# Altium PCB Bottom Board_PCB.PcbDoc (part 1 of 3)
Units mm, origin at the board's own origin, x right, y up, seen from the top; angles counter-clockwise.
Board outline 139 x 80 mm, 4 copper layers (Top Layer, GND, VCC, Bottom Layer), stack 1.623 mm thick; 134 components, 163 nets, 746 pads, 269 vias.
Unrouted connection lines stored in the file: 127.
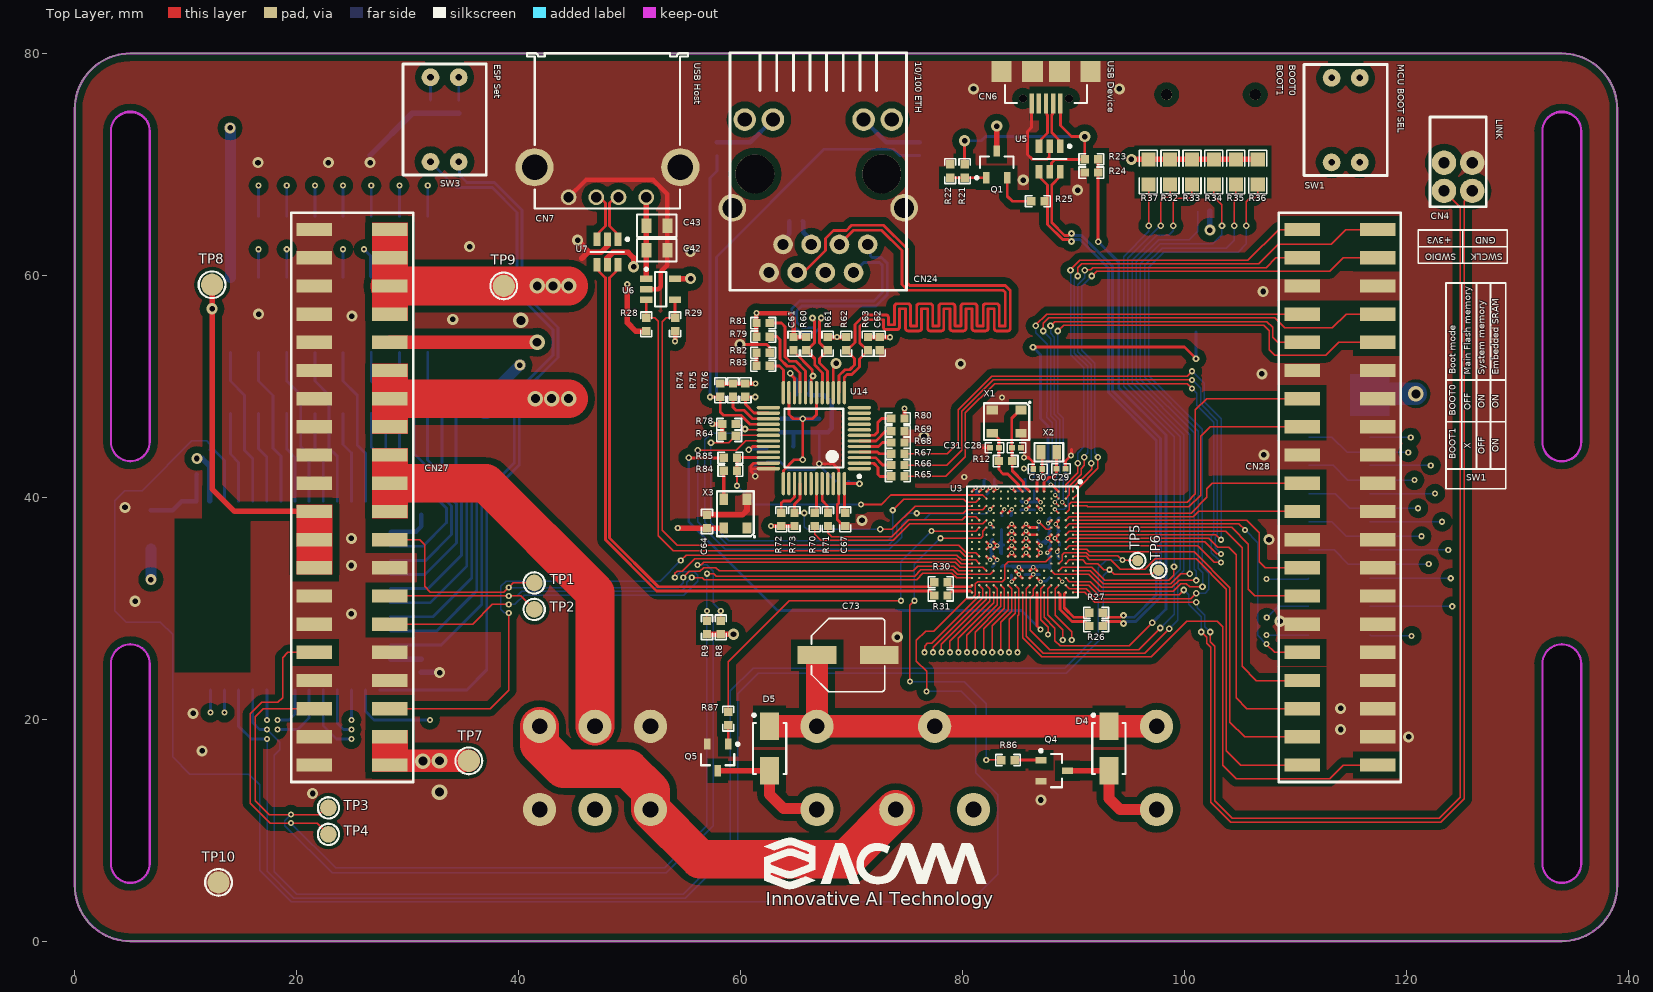
[diagram p0: Top Layer view]
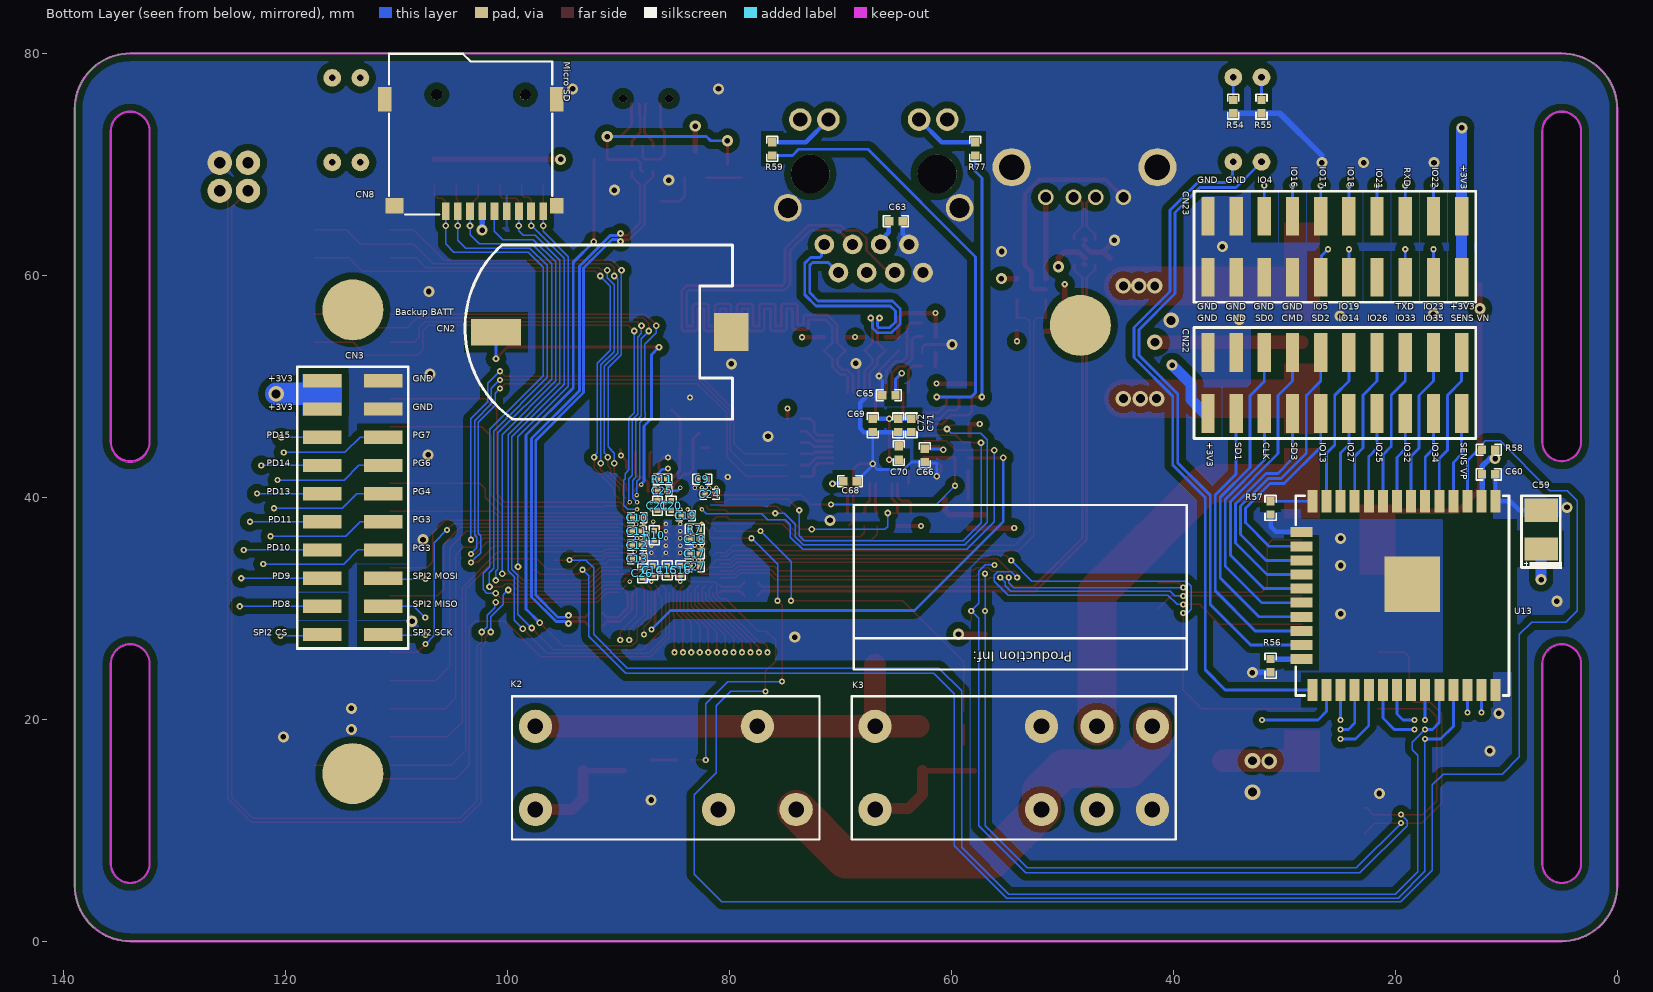
[diagram p1: Bottom Layer view, seen from below]
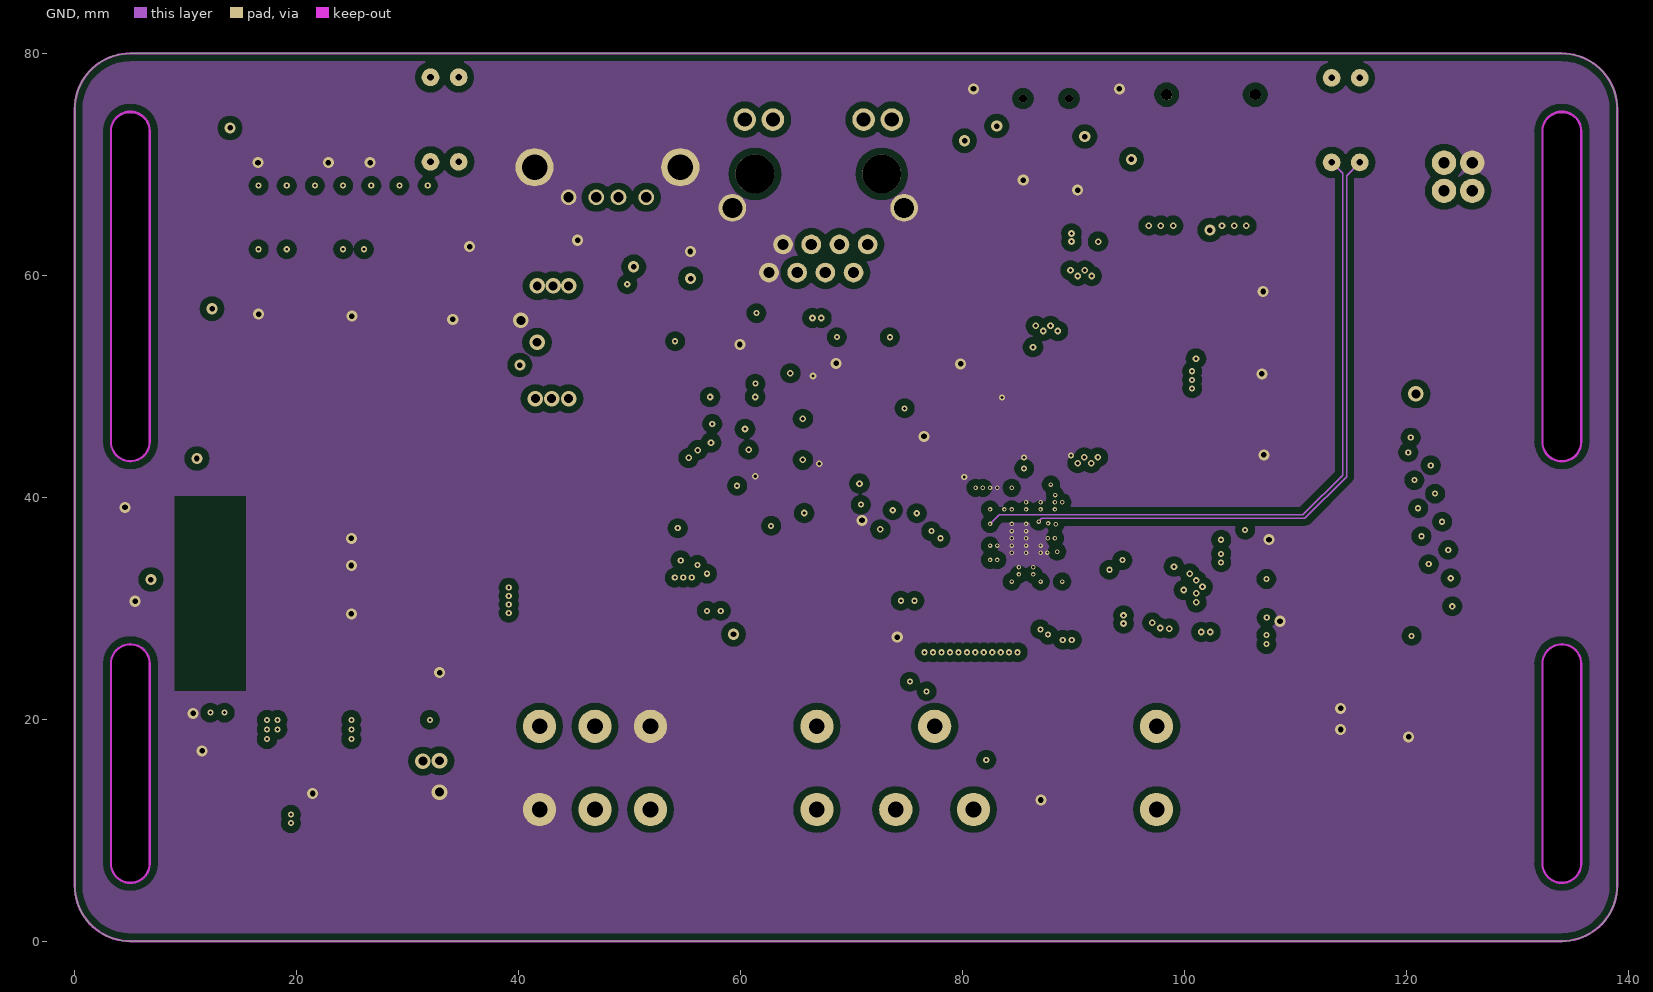
[diagram p2: GND]
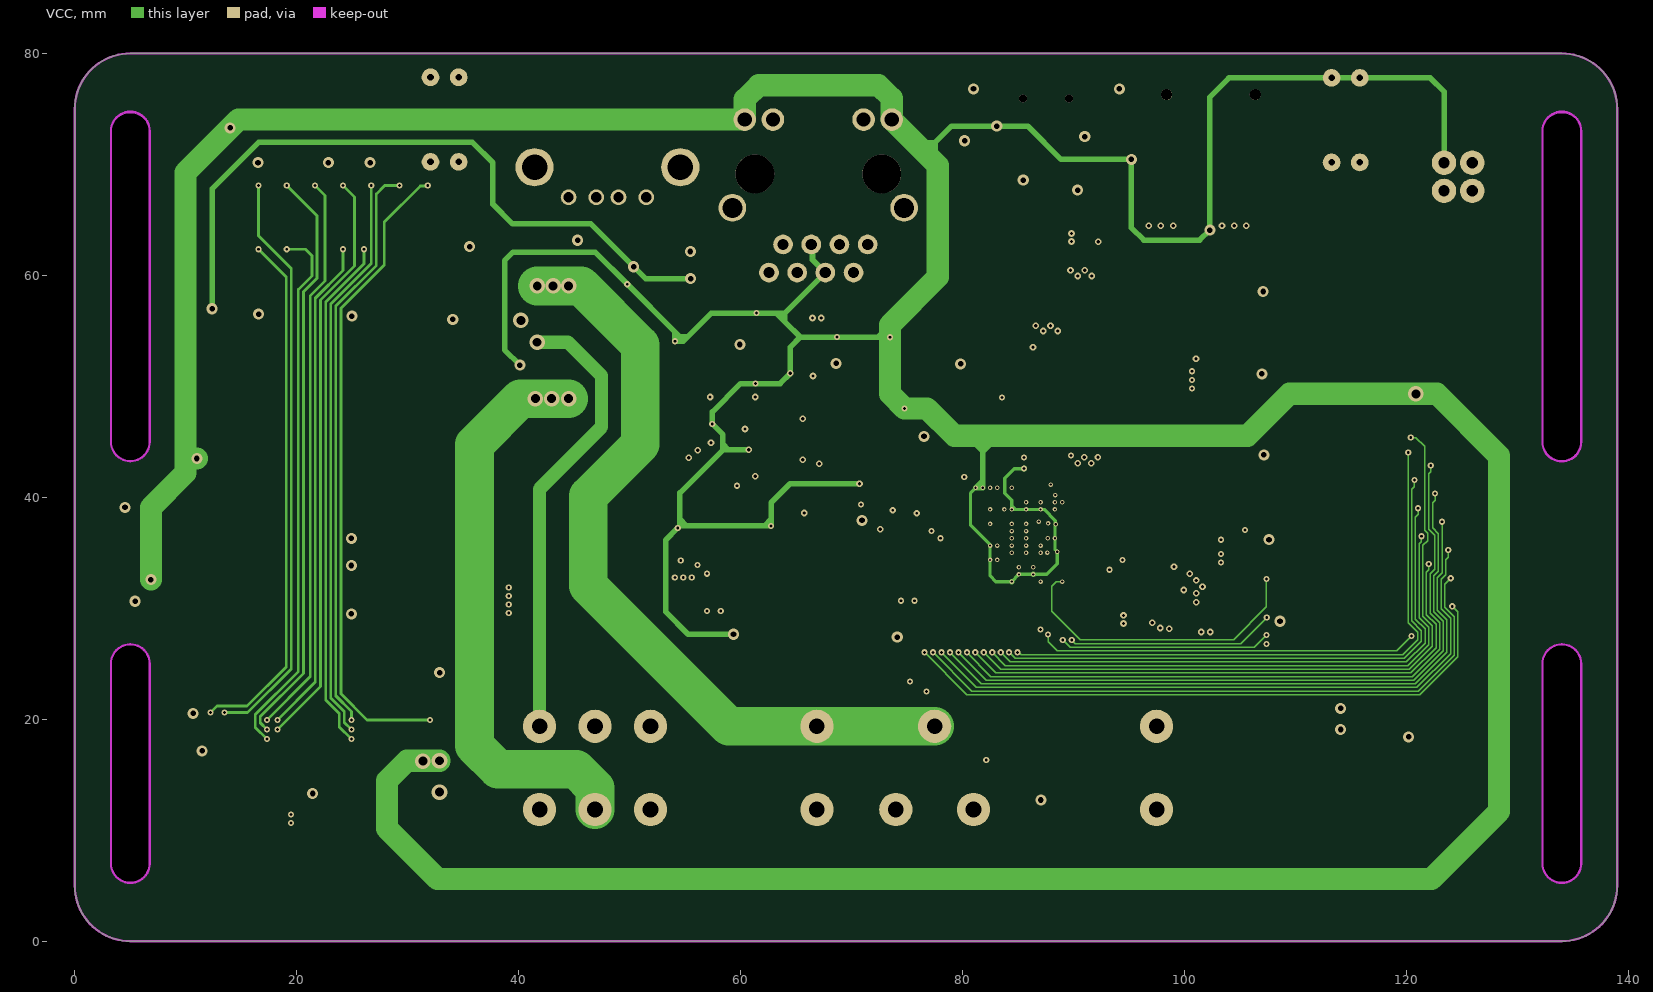
[diagram p3: VCC]

## Layer stack, top to bottom
Top Solder: solder mask 0.0102, Solder Resist, Dk 3.5
Top Layer: signal copper 0.0348
Prepreg 1 - 2116: prepreg 0.1295, PP-017, Dk 4.3
Prepreg 2 - 2116: prepreg 0.1168, PP-016, Dk 4.4
GND: signal copper 0.0348
Core 1: core 0.9906, Core-042, Dk 4.6
VCC: signal copper 0.0348
Prepreg 3 - 2116: prepreg 0.1168, PP-016, Dk 4.4
Prepreg 4 - 2116: prepreg 0.1295, PP-017, Dk 4.3
Bottom Layer: signal copper 0.0348
Bottom Solder: solder mask 0.0102, Solder Resist, Dk 3.5

## Board outline
0,5 ccw(c5,5) 5,0 134,0 ccw(c134,5) 139,5 139,75 ccw(c134,75) 134,80 5,80 ccw(c5,75) 0,75
cut-out: 132.256,44.915 132.256,72.926 cw(c134.006,72.926) 135.756,72.926 135.756,44.915 cw(c134.006,44.915)
cut-out: 132.256,7.047 132.256,25.047 cw(c134.006,25.047) 135.756,25.047 135.756,7.047 cw(c134.006,7.047)
cut-out: 3.256,7.047 3.256,25.047 cw(c5.006,25.047) 6.756,25.047 6.756,7.047 cw(c5.006,7.047)
cut-out: 3.25,44.997 3.25,72.926 cw(c5,72.926) 6.75,72.926 6.75,44.997 cw(c5,44.997)

## Design rules (kind name [scope] priority, off if disabled: settings)
Clearance Clearance_POLY [InPoly] p1: gap=0.6 ignorepadtopadclearanceinfootprint=FALSE
Clearance Clearance_BGA [InBGA and (IsTrack or IsPad or IsVia)] p2: gap=0.12 ignorepadtopadclearanceinfootprint=FALSE
Clearance Clearance_DIFFPAIR [InDifferentialPairClass('DIFF90') or InDifferentialPairClass('DIFF100') vs InDifferentialPairClass('DIFF90') or InDifferentialPairClass('DIFF100')] p3: gap=0.127 ignorepadtopadclearanceinfootprint=FALSE
Clearance Clearance_PAD [IsPad] p4: gap=0.2 ignorepadtopadclearanceinfootprint=FALSE
Clearance Clearance_Track [(IsTrack or IsVia and (not (InAnyDifferentialPair))) vs (IsTrack or IsVia and (not (InAnyDifferentialPair)))] p5: gap=0.2 ignorepadtopadclearanceinfootprint=FALSE
Clearance [All] p6: gap=0.19 ignorepadtopadclearanceinfootprint=FALSE
DiffPairsRouting DIFF_PAIR_100 [InDifferentialPairClass('DIFF100')] p1: maxlimit=0.635 minlimit=0.191 mostfreqgap=0.191 toplayer_minwidth=0.254 toplayer_maxwidth=0.254 toplayer_prefwidth=0.254 midlayer1_maxgap=0.508 midlayer1_minwidth=0.254 midlayer1_maxwidth=0.254 midlayer1_prefwidth=0.254 midlayer2_maxgap=0.508 midlayer2_minwidth=0.254 midlayer2_maxwidth=0.254 midlayer2_prefwidth=0.254 bottomlayer_minwidth=0.254 bottomlayer_maxwidth=0.254 bottomlayer_prefwidth=0.254 maxuncoupledlength=12.7
DiffPairsRouting DIFF_PAIR_90 [InDifferentialPairClass('DIFF90')] p2: maxlimit=1.27 minlimit=0.127 mostfreqgap=0.127 toplayer_minwidth=0.254 toplayer_maxwidth=0.254 toplayer_prefwidth=0.254 midlayer1_minwidth=0.254 midlayer1_maxwidth=0.254 midlayer1_prefwidth=0.254 midlayer2_minwidth=0.254 midlayer2_maxwidth=0.254 midlayer2_prefwidth=0.254 bottomlayer_minwidth=0.254 bottomlayer_maxwidth=0.254 bottomlayer_prefwidth=0.254 maxuncoupledlength=12.7
Height [All] p1: minheight=0 maxheight=30 prefheight=12.7
HoleSize [All] p1: absolutevalues=TRUE maxlimit=5 minlimit=0.025 maxpercent=80.000 minpercent=20.000
MinimumSolderMaskSliver [All] p1: minsoldermaskwidth=0.1
PolygonConnect [All] p1: connectstyle=Direct reliefconductorwidth=0.254 reliefentries=4 polygonreliefangle="90 Angle" airgapwidth=0.254
RoutingVias [All] p1: holewidth=0.5 width=1 viastyle="Through Hole" minholewidth=0.203 minwidth=0.406 maxholewidth=0.7 maxwidth=1.4
SilkToSilkClearance [All] p1: silktosilkclearance=0.1
SilkToSolderMaskClearance [IsPad] p1: minsilkscreentomaskgap=0.1 clearancetoexposedcopper=TRUE
SolderMaskExpansion [All] p1: expansion=0.102
Width Width_PWR [InNet('+12V0') or InNet('+12V_CMD_BOT') or InNet('+3V3') or InNet('+5V0') or InNet('+5V0_USBFS') or InNet('GND') or InNet('TEC_A_BOT') or InNet('TEC_B_BOT')] p1: maxlimit=5 minlimit=0.254 preferedwidth=0.4
Width [All] p2: maxlimit=1 minlimit=0.127 preferedwidth=0.254
24 further rules are at their usual default settings.

## Classes and differential pairs
differential pair class DIFF100: ETH_RD ETH_TD
differential pair class DIFF90: USBFS_D USBFS_D_A USBFS_D_R USBHS_D USBHS_D_A USBHS_D_R
net class ETHERNET: ETH_RD_N ETH_RD_P ETH_TD_N ETH_TD_P
component class "[14] - BOT BOARD HEADER": CN27 CN28 TP7 TP8 TP9 TP10
component class "[12] - RELAYS": C73 D4 D5 K2 K3 Q4 Q5 R86 R87
component class "[11] - LAN": C61 C62 C63 C64 C65 C66 C67 C68 C69 C70 C71 C72 CN24 R59 R60 R61 R62 R63 R64 R65 R66 R67 R68 R69 R70 R71 R72 R73 R74 R75 R76 R77 R78 R79 R80 R81 R82 R83 R84 R85 U14 X3
component class "[10] - ESP32": C59 C60 CN22 CN23 R54 R55 R56 R57 R58 SW3 U13
component class "[05] - MicroSD": CN8 R32 R33 R34 R35 R36 R37
component class "[04] - USB INTERFACE": C42 C43 CN6 CN7 Q1 R21 R22 R23 R24 R25 R26 R27 R28 R29 R30 R31 U5 U6 U7
component class "[02] - MCU": C9 C10 C11 C12 C13 C14 C15 C16 C17 C18 C19 C20 C21 C24 C25 C26 C27 C28 C29 C30 C31 CN2 CN3 CN4 R7 R8 R9 R10 R11 R12 SW1 TP1 TP2 TP3 TP4 TP5 TP6 U3 X1 X2
differential pair USBHS_D: +USBHS_D_P -USBHS_D_N
differential pair USBFS_D: +USBFS_D_P -USBFS_D_N
differential pair USBHS_D_R: +USBHS_D_R_P -USBHS_D_R_N
differential pair USBHS_D_A: +USBHS_D_A_P -USBHS_D_A_N
differential pair USBFS_D_R: +USBFS_D_R_P -USBFS_D_R_N
differential pair USBFS_D_A: +USBFS_D_A_P -USBFS_D_A_N
differential pair ETH_TD: +ETH_TD_P -ETH_TD_N
differential pair ETH_RD: +ETH_RD_P -ETH_RD_N

## Components (designator, comment, footprint, x,y, rotation, side; value= is the part's Value field where it differs from the comment)
C9 "0.1uF" 0402_C_AUTO 82.448,41.629 r180 bottom
C10 "0.1uF" 0402_C_AUTO 88.296,38.164 r0 bottom
C11 "0.1uF" 0402_C_AUTO 88.331,36.956 r0 bottom
C12 "0.1uF" 0402_C_AUTO 88.331,35.675 r0 bottom
C13 "0.1uF" 0402_C_AUTO 88.316,34.468 r0 bottom
C14 "0.1uF" 0402_C_AUTO 86.93,33.425 r270 bottom
C15 "0.1uF" 0402_C_AUTO 85.609,33.425 r270 bottom
C16 "0.1uF" 0402_C_AUTO 84.409,33.414 r270 bottom
C17 "0.1uF" 0402_C_AUTO 83.114,34.913 r180 bottom
C18 "0.1uF" 0402_C_AUTO 83.109,36.22 r180 bottom
C19 "0.1uF" 0402_C_AUTO 83.952,38.342 r0 bottom
C20 "0.1uF" 0402_C_AUTO 85.248,39.256 r270 bottom
C21 "0.1uF" 0402_C_AUTO 86.492,39.256 r270 bottom
C24 "0.1uF" 0402_C_AUTO 81.788,40.284 r180 bottom
C25 "0.1uF" 0402_C_AUTO 86.041,40.587 r180 bottom
C26 "2.2uF" 0402_C_AUTO 87.844,33.171 r270 bottom
C27 "2.2uF" 0402_C_AUTO 83.114,33.744 r180 bottom
C28 "18pF" 0402_C_AUTO 84.867,44.463 r0 top
C29 "10pF" 0402_C_AUTO 88.88,42.584 r180 top
C30 "10pF" 0402_C_AUTO 86.772,42.558 r0 top
C31 "18pF" 0402_C_AUTO 82.878,44.463 r180 top
C42 "1uF" 0805_C_AUTO 52.45,62.255 r180 top
C43 "0.1uF" 0805_C_AUTO 52.45,64.465 r180 top
C59 "47uF" TANT_B 6.858,37.089 r90 bottom
C60 "0.1uF" 0402_C 11.582,42.068 r180 bottom
C61 "0.1uF" 0402_C 64.776,53.842 r90 top
C62 "0.1uF" 0402_C 72.548,53.842 r90 top
C63 "0.1uF" 0402_C 64.999,64.872 r0 bottom
C64 "0.1uF" 0402_C 56.972,37.821 r90 top
C65 "0.1uF" 0402_C 65.634,49.2 r0 bottom
C66 "0.1uF" 0402_C 62.408,43.79 r270 bottom
C67 "0.1uF" 0402_C 69.424,38.017 r270 top
C68 "10nF" 0402_C 69.139,41.453 r180 bottom
C69 "0.1uF" 0402_C 67.081,46.482 r90 bottom
C70 "0.1uF" 0402_C 64.745,43.993 r270 bottom
C71 "0.1uF" 0402_C 63.607,46.482 r90 bottom
C72 "10uF" 0402_C 64.795,46.482 r90 bottom
C73 "100uF" WCAP-ASLI_6.3x5.5 69.698,25.781 r180 top
CN2 "Battery Holder" CR2032_BATT_HOLDER 92.685,54.889 r180 bottom locked
CN3 "Male Pin Header 2x10 SMD" HEADER_SMD_2x10 113.944,39.065 r90 bottom
CN4 "Male Pin Header 2x2" HEADER_2X2_RIGHT 124.663,68.885 r0 top
CN6 "Micro USB B" USB_Micro_B 87.522,78.384 r180 top
CN7 "USB 2.0 Type A Receptacle" USB_Type_A 48,73.025 r180 top
CN8 "Micro-SD Connector" MICRO_SD_TFP-09-2-12B 103.327,65.786 r0 bottom
CN22 "Male Pin Header 2x10 SMD" HEADER_SMD_2x10 25.451,50.292 r0 bottom
CN23 "Male Pin Header 2x10 SMD" HEADER_SMD_2x10 25.451,62.579 r0 bottom
CN24 "RJ45" HR911105A 67,67.146 r0 top locked
CN27 "Female Pin Header 2x20 SMD" HEADER_FEMALE_SMD_2x20 25,40 r270 top locked
CN28 "Female Pin Header 2x20 SMD" HEADER_FEMALE_SMD_2x20 114,40 r270 top locked
D4 "1N4007" SMA 93.193,17.368 r90 top
D5 "1N4007" SMA 62.611,17.368 r90 top
K2 "Omron SPDT Relay 12V" RELAY_SPDT 84.99,15.618 r180 bottom
K3 "Omron DPDT Relay 12V" RELAY_DPDT 54.381,15.618 r180 bottom
Q1 "BC817" SOT23 83.083,70.002 r90 top
Q4 "BC817" SOT23 88.265,15.368 r0 top
Q5 "BC817" SOT23 57.937,16.561 r270 top
R7 "10K" 0402_R_AUTO 83.12,37.108 r0 bottom
R8 "4K7" 0402_R 58.217,28.27 r90 top
R9 "4K7" 0402_R 56.972,28.27 r90 top
R10 "10K" 0402_R_AUTO 86.777,36.574 r270 bottom
R11 "100K" 0402_R_AUTO 86.041,41.629 r0 bottom
R12 "1M" 0402_R 83.876,43.269 r0 top
R21 "10K" 0402_R 80.188,69.402 r90 top
R22 "36K" 0402_R 78.892,69.402 r270 top
R23 "1K" 0402_R 91.618,70.46 r180 top
R24 "3K9" 0402_R 91.618,69.266 r0 top
R25 "1K5" 0402_R 86.792,66.675 r180 top
R26 "22R" 0402_R 92.034,28.397 r0 top
R27 "22R" 0402_R 92.034,29.591 r0 top
R28 "10K" 0402_R 51.5,55.575 r90 top
R29 "10K" 0402_R 54.1,55.575 r90 top
R30 "22R" 0402_R 78.045,32.353 r180 top
R31 "22R" 0402_R 78.045,31.159 r180 top
R32 "47K" 0805_R 98.699,69.317 r90 top
R33 "47K" 0805_R 100.675,69.317 r90 top
R34 "47K" 0805_R 102.652,69.317 r90 top
R35 "47K" 0805_R 104.628,69.317 r90 top
R36 "47K" 0805_R 106.604,69.317 r90 top
R37 "47K" 0805_R 96.749,69.317 r270 top
R54 "4K7" 0402_R 34.595,75.209 r90 bottom
R55 "4K7" 0402_R 32.055,75.209 r90 bottom
R56 "4K7" 0402_R 31.242,24.826 r270 bottom
R57 "4K7" 0402_R 31.242,39.046 r270 bottom
R58 "4K7" 0402_R 11.582,44.279 r0 bottom
R59 "330R" 0402_R 76.149,71.399 r270 bottom
R60 "49R9" 0402_R 65.919,53.842 r90 top
R61 "49R9" 0402_R 67.843,53.842 r90 top
R62 "49R9" 0402_R 69.525,53.842 r90 top
R63 "49R9" 0402_R 71.476,53.842 r90 top
R64 "1.5K" 0402_R 58.959,45.536 r180 top
R65 "33R" 0402_R 74.174,41.889 r180 top
R66 "33R" 0402_R 74.174,42.905 r180 top
R67 "33R" 0402_R 74.174,43.921 r180 top
R68 "2K2" 0402_R 74.174,44.937 r180 top
R69 "2K2" 0402_R 74.174,45.953 r180 top
R70 "33R" 0402_R 66.681,38.017 r90 top
R71 "33R" 0402_R 67.874,38.017 r90 top
R72 "2K2" 0402_R 63.658,38.017 r90 top
R73 "2K2" 0402_R 64.852,38.017 r90 top
R74 "4K7" 0402_R 58.172,49.651 r90 top
R75 "4K7" 0402_R 59.315,49.651 r90 top
R76 "4K7" 0402_R 60.432,49.651 r90 top
R77 "330R" 0402_R 57.861,71.399 r270 bottom
R78 "10K" 0402_R 58.959,46.603 r0 top
R79 "2K2" 0402_R 62.032,54.483 r180 top
R80 "2K2" 0402_R 74.174,47.111 r180 top
R81 "2K2" 0402_R 62.027,55.702 r180 top
R82 "0" 0402_R 62.032,53.029 r180 top
R83 "4K87" 0402_R 62.032,51.86 r0 top
R84 "10R" 0402_R 59.08,42.393 r0 top
R85 "10R" 0402_R 59.08,43.555 r0 top
R86 "1K" 0402_R 84.099,16.318 r0 top
R87 "1K" 0402_R 58.887,20.066 r270 top
SW1 "DIP SW 2" DIP-SW-2-PIANO 114.529,73.99 r180 top
SW3 "DIP SW 2" DIP-SW-2-PIANO 33.325,74.041 r180 top
TP1 "Test Point" PIN_1.5mm 41.402,32.283 r0 top
TP2 "Test Point" PIN_1.5mm 41.402,29.896 r0 top
TP3 "Test Point" PIN_1.5mm 22.86,12.014 r0 top
TP4 "Test Point" PIN_1.5mm 22.86,9.627 r0 top
TP5 "Test Point" PIN_1mm 95.783,34.29 r90 top
TP6 "Test Point" PIN_1mm 97.663,33.426 r90 top
TP7 "Test Point" PIN_2mm 35.509,16.256 r0 top
TP8 "Test Point" PIN_2mm 12.37,59.157 r0 top
TP9 "Test Point" PIN_2mm 38.659,59.05 r0 top